# KiCad board pi60_HSE_v1.1.kicad_pcb (continued)
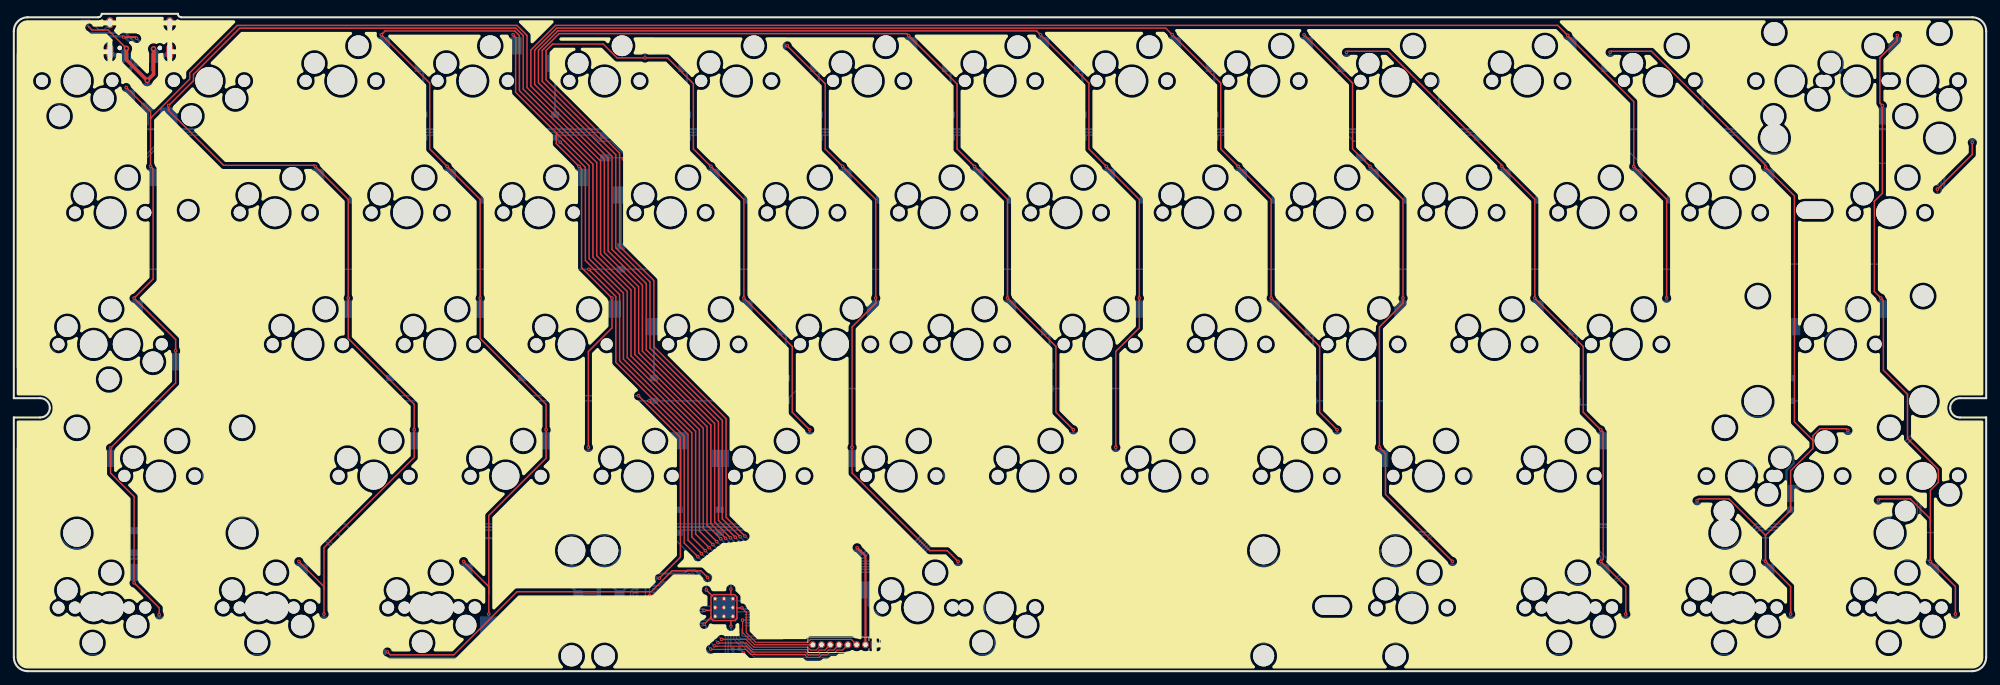
[diagram p0: board, top side]
## Routing (per net, layer and track width the routed paths; a pad name or vN(x,y) marks a point on that pad's centre or on a via; arc(x,y) is an arc through that point) (continued)
  Bottom w0.5: D73.1 8.04,17.12 1.55,23.61 1.55,31.67 6.75,36.88 6.75,39.32 1.55,44.53 1.55,82.21 1.58,82.23 10.04,82.23 14.8,77.47 D64.1 19.27,79.19 F1.1
GND: length 64.8
  Top w0.2: v1(91.87,10.94) 92.32,10.94 95.34,13.96 v1(97.56,13.96)
  Bottom w0.2: C10.2 v1(95.15,6.6) ; Y1.2 v1(109.87,9.6) ; v1(97.56,13.96) 97.56,13.96 C4.2 ; C7.2 v1(109.11,8.61) ; 13.88,93.62 13.06,92.79 12.29,92.79 C15.2 10.91,94.17 9.83,94.17 8.6,92.94 ; v1(105.31,10.2) U1.19 103.61,10.2 ; C9.2 v1(98.96,2.71) ; C12.2 90.88,12.9 v1(90.88,12.89) 91.06,12.71 91.67,12.71 91.87,12.51 v1(91.87,10.94) 91.94,10.86 U2.4 ; C8.2 v1(98.04,2.71) ; D66.3 87.9,74.27 v1(88.08,74.1) ; v1(94.71,9.4) C3.2 C1.2 ; C11.2 v1(95.15,5.68) ; C6.2 v1(103.44,15.68) ; 13.88,90.32 12.8,91.4 10.54,91.4 9.84,90.7 9.15,90.7 8.6,91.25 ; C2.2 v1(109.11,7.69)
  Bottom w0.3: D71.3 v1(268.46,74.27) ; D68.3 v1(159.26,74.27) ; D70.3 v1(232.06,74.27) ; R7.1 21.43,87.42 USB1.12 ; SW1.2 27.49,45.25 v1(27.49,45.25) ; v1(27.5,49.34) 27.49,49.35 SW1.2 ; D77.3 v1(162.16,20.32) ; v1(159.37,8.91) 159.36,8.91 J3.1 ; D73.3 v1(16.56,20.32) ; D69.3 v1(195.66,74.27) ; D76.3 v1(125.76,20.32) ; D67.3 v1(122.86,74.27) ; USB1.1 14.98,87.9 R6.1 ; D78.3 v1(195.75,20.32) ; D79.3 v1(234.95,20.32) ; D74.3 v1(52.96,20.32) ; D65.3 v1(50.06,74.27) ; 104.85,3.22 v1(105.45,2.62) ; D64.3 v1(13.66,74.27) ; D72.3 v1(265.99,20.32)
  Bottom w0.5: v1(83.59,12.35) 83.59,12.36 U4.1 ; D75.3 92.17,20.32 v1(92.16,20.31) ; v1(81.56,12.36) 81.56,12.37 C13.2 ; 14.06,89.63 USB1.1 ; C14.2 v1(87.52,12.36) ; 22.34,89.63 USB1.12
VCC: length 22.3
  Top w0.2: v2(16.28,90.09) 13.62,92.75 11.3,92.75 v3(10.89,93.16)
  Top w0.5: v2(16.28,90.09) 16.28,88.45 v2(19.28,85.45) 20.19,86.36 v2(20.19,90.04)
  Bottom w0.2: 9.84,92.84 C15.1 ; 10.56,93.49 v3(10.89,93.16)
  Bottom w0.5: 20.65,89.57 20.65,89.57 v2(20.19,90.04) ; v2(16.28,90.09) 15.75,89.57 USB1.2 ; F1.2 19.27,85.45 v2(19.28,85.45)
/GPIO26_ADC0: length 16.8
  Top w0.152: v1(102.27,4.6) 105.8,4.6 106.93,3.47 114.69,3.47 115.12,3.05 115.93,3.05 J2.7
  Bottom w0.152: U1.38 101.61,5.26 v1(102.27,4.6)
/GPIO27_ADC1: length 19.1
  Top w0.152: v1(101.74,4.14) 101.8,4.08 105.83,4.08 106.78,3.12 114.55,3.12 114.97,2.7 116.08,2.7 116.43,3.05 117.2,3.05 J2.6
  Bottom w0.152: v1(101.74,4.14) 101.21,4.66 U1.39
/GPIO28_ADC2: length 21.5
  Top w0.152: J2.5 118.47,3.05 117.7,3.05 117.35,2.7 116.58,2.7 116.22,2.35 114.82,2.35 114.4,2.77 106.64,2.77 105.8,3.61 101.28,3.61 v1(101.21,3.67)
  Bottom w0.152: U1.40 100.81,4.07 v1(101.21,3.67)
/GPIO29_ADC3: length 23.8
  Top w0.152: v1(100.69,3.2) 100.74,3.15 105.76,3.15 106.49,2.42 114.25,2.42 114.68,1.99 116.37,1.99 116.72,2.35 117.49,2.35 117.85,2.7 118.62,2.7 118.97,3.05 119.74,3.05 J2.4
  Bottom w0.152: U1.41 100.41,3.48 v1(100.69,3.2)
/QSPI_SCLK: length 12.4
  Bottom w0.2: U2.6 89.53,11.36 89.5,11.34 89.5,10.39 89.9,9.99 93.2,9.99 94.54,11.33 96.77,11.33 97.9,10.2 U1.52
/QSPI_SD0: length 10.4
  Bottom w0.2: U1.53 98.07,10.6 96.93,11.73 94.38,11.73 93.03,10.39 90.52,10.39 U2.5
/QSPI_SD1: length 7.4
  Bottom w0.2: U1.55 98.4,11.4 97.26,12.53 94.04,12.53 93.38,11.86 U2.2
/QSPI_SD2: length 7.5
  Bottom w0.2: U2.3 93.44,11.36 94.21,12.13 97.1,12.13 98.23,11 U1.54
/QSPI_SD3: length 13.7
  Bottom w0.2: U2.7 89.46,11.86 89.1,11.5 89.1,10.22 89.74,9.59 93.36,9.59 94.71,10.93 96.6,10.93 97.74,9.8 U1.51
/QSPI_SS: length 8.8
  Bottom w0.2: U1.56 98.56,11.8 97.43,12.93 93.88,12.93 93.31,12.36 U2.1 92.49,12.7 R3.1
/RUN: length 13.4
  Top w0.152: v1(105.31,7.4) 105.31,5.59 107.08,3.82 J2.8
  Bottom w0.152: U1.26 v1(105.31,7.4)
/SCL: length 62.1
  Bottom w0.2: U1.35 102.81,2.47 R4.2 ; 102.59,2.16 103.98,0.77 152.31,0.77 157.46,5.92 J3.4
/SDA: length 61.3
  Bottom w0.2: U1.34 103.21,2.47 R5.2 ; J3.3 157.46,6.92 151.71,1.17 104.37,1.17 103.44,2.09
/XIN: length 5.7
  Bottom w0.2: Y1.3 110.13,10.8 109.12,9.8 106.05,9.8
/XOUT: length 5.7
  Bottom w0.2: U1.21 109.14,9.4 110.14,8.4 Y1.1
C0: length 252.3
  Top w0.2: 19.76,79.92 19.76,80.93 v1(16.24,84.45) ; 19.76,79.92 19.76,80 25.41,85.66 25.41,86.57 32.27,93.42 72.7,93.42 74.16,91.97 74.16,84.43 84.78,73.81 84.78,60.34 89.73,55.39 89.73,45.82 100.17,35.39 100.17,21.13 v1(102.14,19.15) ; 19.76,79.92 v1(19.76,73.02) 20.12,72.66 20.12,56.72 v1(17.38,53.97) 23.38,47.97 v1(23.38,46.35) 23.38,41.69 v1(13.98,32.29) 13.98,28.66 17.38,25.26 v1(17.38,12.78) 21.01,9.15 v1(21.01,8.16)
  Bottom w0.2: v1(21.01,8.16) 21,8.16 K67.1 ; v1(13.98,32.29) 13.97,32.29 K45.1 ; K31.2 17.37,53.97 v1(17.38,53.97) ; 19.76,71.43 v1(19.76,73.02) ; K59.2 17.37,12.79 v1(17.38,12.78) ; K32.1 23.38,46.35 v1(23.38,46.35) ; K1.1 v1(16.24,84.45) ; v1(102.14,19.15) 104.44,16.85 104.44,13.71 104.41,13.68 U1.12
C1: length 265.1
  Top w0.2: 44.82,11.84 44.82,17.88 57.86,30.92 v1(57.86,34.92) 57.86,38.61 48.33,48.14 v1(48.33,53.97) 48.33,68.26 v1(43.57,73.02) 43.41,73.18 30.32,73.18 22.36,81.15 v1(22.36,81.82) 25.96,85.42 25.96,86.33 32.65,93.02 72.54,93.02 73.61,91.96 73.61,84.2 84.23,73.58 84.23,60.11 89.18,55.16 89.18,45.59 99.62,35.16 99.62,20.7 v1(101.58,18.74) ; 44.82,11.84 v1(44.82,8.25) ; 44.82,11.84 44.82,12.24 v1(41.19,15.87)
  Bottom w0.2: K60.2 v1(41.19,15.87) ; K68.1 44.81,8.25 v1(44.82,8.25) ; v1(43.57,73.02) 43.57,73.02 43.57,71.43 ; 104.05,16.27 104.05,13.87 104.01,13.84 U1.11 ; K33.2 48.33,53.97 v1(48.33,53.97) ; v1(22.36,81.82) 22.36,81.82 K2.2 ; K46.2 v1(57.86,34.92) ; 104.02,16.3 v1(101.58,18.74)
C2: length 224.9
  Top w0.2: v1(68.63,8.25) 68.63,11.22 ; 68.63,11.22 68.63,22.51 76.91,30.79 v1(76.91,34.92) 76.91,38.61 67.39,48.13 v1(67.39,53.97) 67.39,68.25 v1(62.62,73.02) 60.09,75.55 60.09,85.08 v1(53.1,92.07) 53.65,92.62 72.37,92.62 73.06,91.94 73.06,83.98 83.68,73.35 83.68,59.88 88.63,54.93 88.63,45.37 99.07,34.93 99.07,20.27 v1(101.03,18.3) ; 68.63,11.22 68.63,12.24 v1(65,15.87)
  Bottom w0.2: K47.2 v1(76.91,34.92) ; K61.2 65,15.87 v1(65,15.87) ; v1(101.03,18.3) 102.81,16.52 U1.8 ; K69.1 68.62,8.25 v1(68.63,8.25) ; K3.2 53.09,92.07 v1(53.1,92.07) ; K34.2 67.38,53.97 v1(67.39,53.97) ; 62.62,71.43 62.62,73.02 v1(62.62,73.02)
C3: length 148.7
  Top w0.2: 78.32,77.94 72.51,83.75 72.51,91.71 v1(72.15,92.07) ; 78.32,77.94 78.39,77.87 78.39,76.31 v1(81.68,73.02) 82.03,72.67 82.03,58.38 v1(86.44,53.97) 86.44,49.66 83.03,46.25 v1(83.03,32.38) ; 78.32,77.94 83.13,73.12 83.13,59.66 88.08,54.7 88.08,45.14 98.52,34.7 98.52,19.83 v1(100.48,17.87)
  Bottom w0.2: 81.67,71.43 81.67,73.02 v1(81.68,73.02) ; K35.2 86.43,53.97 v1(86.44,53.97) ; U1.7 102.41,15.94 v1(100.48,17.87) ; K48.1 83.03,32.38 v1(83.03,32.38) ; v1(72.15,92.07) 72.14,92.07 K4.2
C4: length 180.1
  Top w0.2: v1(105.64,19.54) 102.91,22.27 102.91,36.53 92.48,46.96 92.48,56.52 87.53,61.48 87.53,74.94 76.9,85.57 76.9,89.79 77.84,90.72 85.17,90.72 87.16,88.73 v1(91.19,88.73) 94.45,88.73 98.19,84.99 98.19,75.56 v1(100.73,73.02) 105.49,68.26 v1(105.49,53.97) 112.48,46.98 112.48,37.45 v1(115.01,34.92)
  Bottom w0.2: v1(91.19,88.73) 91.19,88.73 K5.2 ; v1(105.49,53.97) 105.48,53.97 K36.2 ; 100.72,71.43 100.72,73.02 v1(100.73,73.02) ; K49.2 115,34.92 v1(115.01,34.92) ; v1(105.64,19.54) 107.53,17.65 107.53,11.77 106.76,11 U1.17
C5: length 162.1
  Top w0.2: v1(111.75,90.48) 117.24,84.99 117.24,75.55 v1(119.77,73.02) 124.54,68.25 v1(124.54,53.97) 124.54,53.21 121.13,49.8 v1(121.13,32.39) 121.13,28.66 132.35,17.44 134.87,17.44 v1(136.44,15.87)
  Bottom w0.2: 140.05,2.37 131.31,2.37 130.14,3.54 128.68,3.54 127.51,2.37 107.2,2.37 105.33,4.23 104.98,4.23 104.41,4.8 U1.31 ; 140.05,2.37 145.29,2.37 K70.1 ; 140.05,2.37 140.69,2.37 141.71,3.39 141.71,6.81 140.26,8.27 140.26,10.49 136.46,14.28 ; v1(119.77,73.02) 119.77,73.02 119.77,71.43 ; K62.2 v1(136.44,15.87) ; v1(121.13,32.39) 121.13,32.39 K50.1 ; K37.2 124.53,53.97 v1(124.54,53.97)
  Bottom w0.3: K6.2 111.75,90.48 v1(111.75,90.48)
C6: length 219.1
  Top w0.2: v1(153.11,34.93) 150.58,37.46 150.58,46.98 v1(143.59,53.97) 143.59,68.25 v1(138.82,73.02) 136.29,75.55 136.29,84.96 v1(129.3,91.95) 129.02,92.23 78.78,92.23 76.35,89.81 76.35,85.34 86.98,74.72 86.98,61.25 91.93,56.3 91.93,46.73 102.36,36.3 102.36,22.04 v1(104.95,19.45)
  Bottom w0.2: K7.2 129.29,91.95 v1(129.3,91.95) ; K51.2 153.1,34.93 v1(153.11,34.93) ; 138.82,71.43 138.82,73.02 v1(138.82,73.02) ; U1.16 106.6,11.4 107.14,11.94 107.14,17.27 v1(104.95,19.45) ; K38.2 143.58,53.97 v1(143.59,53.97)
C7: length 238.7
  Top w0.2: v1(159.23,32.38) 159.23,46.25 162.64,49.66 v1(162.64,53.97) 162.64,68.25 v1(157.87,73.02) 155.34,75.55 155.34,85.08 v1(148.35,92.07) 147.79,92.63 78.61,92.63 75.8,89.82 75.8,85.11 86.43,74.49 86.43,61.02 91.38,56.07 91.38,46.5 101.81,36.07 101.81,21.81 v1(104.25,19.37)
  Bottom w0.2: U1.15 106.43,11.8 106.74,12.1 106.74,16.89 v1(104.25,19.37) ; 157.87,71.43 157.87,73.02 v1(157.87,73.02) ; K39.2 162.63,53.97 v1(162.64,53.97) ; K8.2 148.34,92.07 v1(148.35,92.07) ; K52.1 159.23,32.38 v1(159.23,32.38)
C8: length 256.9
  Top w0.2: v1(191.21,34.92) 188.68,37.45 188.68,46.98 v1(181.69,53.97) 181.69,68.25 v1(176.92,73.02) 174.39,75.55 174.39,85.08 v1(167.4,92.07) 166.44,93.03 78.45,93.03 75.26,89.84 75.26,84.89 85.88,74.26 85.88,60.79 90.83,55.84 90.83,46.28 101.27,35.84 101.27,21.58 v1(103.56,19.29)
  Bottom w0.2: K40.2 181.68,53.97 v1(181.69,53.97) ; K9.2 167.39,92.07 v1(167.4,92.07) ; v1(191.21,34.92) 191.2,34.92 K53.2 ; v1(103.56,19.29) 105.25,17.6 105.25,13.39 105.21,13.36 U1.14 ; 176.92,71.43 v1(176.92,73.02)
C9: length 210.6
  Top w0.2: v1(207.88,15.88) 198.21,25.56 198.21,31.51 v1(197.33,32.38) 197.33,49.8 200.74,53.21 v1(200.74,53.97) 200.74,68.26 v1(195.98,73.02) 193.44,75.56 193.44,85.08 v1(186.45,92.07)
  Bottom w0.2: K41.2 200.73,53.97 v1(200.74,53.97) ; v1(207.88,15.88) 207.87,15.88 K63.2 206.12,12.53 203.57,12.53 203.46,12.64 201.49,12.64 199.32,14.81 198.56,14.81 197.44,15.93 196.62,15.93 190.8,15.93 190.28,16.44 182.76,16.44 181.52,15.21 179.66,15.21 175.57,19.3 170.97,19.3 167.09,15.43 157.71,15.43 153.83,19.3 132.01,19.3 128.24,15.53 120.23,15.53 111.7,7 U1.27 ; v1(195.98,73.02) 195.97,73.02 195.97,71.43 ; v1(186.45,92.07) 186.44,92.07 K10.2 ; K54.1 197.33,32.38 v1(197.33,32.38)
C10: length 251.8
  Top w0.2: v1(192.57,89.53) 192.72,89.69 198.53,89.69 215.02,73.21 v1(215.02,73.02) 219.78,68.26 v1(219.78,53.97) 226.78,46.97 226.78,37.45 v1(229.31,34.92) 229.67,34.56 229.67,16.24 v1(229.31,15.87) 232.93,12.25 v1(232.93,8.25)
  Bottom w0.2: K42.2 219.78,53.97 v1(219.78,53.97) ; K11.1 192.56,89.53 v1(192.57,89.53) ; K55.2 229.3,34.92 v1(229.31,34.92) ; K71.2 v1(229.31,15.87) 229.31,16.62 226.62,19.3 215.88,19.3 209.31,12.73 206.89,12.73 206.29,12.13 203.41,12.13 203.29,12.25 201.32,12.25 199.16,14.41 198.39,14.41 197.27,15.53 190.63,15.53 190.12,16.05 182.92,16.05 181.69,14.81 179.5,14.81 175.41,18.9 171.13,18.9 167.26,15.03 157.54,15.03 153.67,18.9 132.18,18.9 128.4,15.13 120.39,15.13 111.87,6.6 U1.28 ; 215.02,71.43 v1(215.02,73.02) ; K64.1 232.93,8.25 v1(232.93,8.25)
C11: length 290.3
  Top w0.2: v1(238.83,53.97) 238.83,68.27 v1(234.08,73.02) 234.08,82.4 224.54,91.94 v1(224.54,91.98) 223.09,93.43 78.28,93.43 74.71,89.85 74.71,84.66 85.33,74.03 85.33,60.57 90.28,55.61 90.28,46.05 100.72,35.61 100.72,21.36 v1(102.85,19.22)
  Bottom w0.2: K12.2 224.54,91.98 v1(224.54,91.98) ; v1(238.83,53.97) 238.83,53.97 K43.2 ; U1.13 104.81,13.51 104.84,13.54 104.84,17.23 v1(102.85,19.22) ; 234.07,71.43 234.07,73.02 v1(234.08,73.02)
C12: length 323.9
  Top w0.2: v1(256.75,8.25) 256.75,12.25 v1(253.12,15.88) 253.12,19.65 ; 259.97,33.39 259.97,32.21 256.75,28.99 256.75,23.28 253.12,19.65 ; 259.97,33.39 257.3,36.06 257.3,68.75 v1(253.12,72.93) 253.12,73.21 236.63,89.69 230.82,89.69 v1(230.67,89.53) ; 259.97,33.39 259.97,34.06 260.99,35.08 264.77,35.08 v1(265.02,34.83) ; 253.12,19.65 247.84,24.92 243.47,24.92 v1(243.23,24.67)
  Bottom w0.2: v1(230.67,89.53) 230.66,89.53 K13.1 ; v1(253.12,72.93) 253.12,71.43 254.74,73.05 254.89,73.2 256.02,73.2 256.29,73.48 274.88,73.48 276.93,71.43 ; K65.1 256.74,8.25 v1(256.75,8.25) ; 243.22,23.17 243.22,24.67 v1(243.23,24.67) ; K72.2 253.12,15.88 v1(253.12,15.88) 252.95,16.05 238.39,16.05 237.36,15.03 233.68,15.03 230.78,12.13 225.11,12.13 218.74,18.5 216.21,18.5 209.64,11.93 207.22,11.93 206.62,11.33 203.08,11.33 202.96,11.45 200.99,11.45 198.83,13.61 198.06,13.61 196.94,14.73 190.3,14.73 189.78,15.25 183.26,15.25 182.02,14.01 179.17,14.01 175.07,18.1 171.47,18.1 167.59,14.23 157.21,14.23 153.34,18.1 132.51,18.1 128.73,14.33 120.72,14.33 111.03,4.63 105.14,4.63 104.81,4.96 U1.30 ; K56.2 265.02,34.83 v1(265.02,34.83)
C13: length 332.2
  Top w0.2: v1(269.42,24.76) 269.57,24.92 274.04,24.92 276.94,22.02 276.94,20.81 ; 276.94,20.81 276.94,26.16 278.1,27.32 278.1,29.18 273.64,33.65 273.64,40.05 270.15,43.53 270.15,53.62 v1(269.79,53.98) 268.84,54.93 268.84,67.98 270.01,69.14 v1(270.01,81.82) 269.64,82.19 269.64,88.75 272.17,91.27 v1(272.17,91.98) ; 276.94,20.81 v1(276.94,15.87) 280.56,12.25 v1(280.56,8.25)
  Bottom w0.2: U1.29 105.21,5.13 105.31,5.03 110.86,5.03 120.56,14.73 128.57,14.73 132.34,18.5 153.5,18.5 157.38,14.63 167.42,14.63 171.3,18.5 175.24,18.5 179.33,14.41 181.85,14.41 183.09,15.65 189.95,15.65 190.47,15.13 197.11,15.13 198.22,14.01 198.99,14.01 201.16,11.85 203.13,11.85 203.24,11.73 206.45,11.73 207.05,12.33 209.48,12.33 216.05,18.9 218.9,18.9 225.28,12.53 230.62,12.53 233.52,15.43 237.2,15.43 238.22,16.45 248.71,16.45 251.56,19.3 257.67,19.3 261.55,15.43 271.56,15.43 272.17,16.03 276.78,16.03 v1(276.94,15.87) 276.93,15.87 K73.2 ; K14.2 v1(272.17,91.98) ; v1(270.01,81.82) 270.01,81.82 K16.2 ; K44.2 v1(269.78,53.98) ; K66.1 280.55,8.25 v1(280.56,8.25) ; 269.99,80.32 268.52,78.85 259.27,78.85 255.32,74.9 253.46,74.9 249.79,78.57 249.79,79.15 K15.2 ; v1(269.42,24.76) 269.41,24.76 269.41,23.17
CC1: length 1.7
  Bottom w0.3: R6.2 16.95,87.2 USB1.4
CC2: length 1.5
  Bottom w0.3: 19.95,87.19 USB1.10
DN_MCU: length 204.1
  Bottom w0.2: U3.7 3.67,92.34 3.65,92.32
  Bottom w0.3: 3.26,91.94 3.67,92.34 8.32,92.34 8.32,92.34 ; 3.26,91.94 3.65,92.32 ; 3.26,91.94 0.45,89.13 0.45,44.07 5.66,38.86 5.66,37.33 0.45,32.13 0.45,1.99 1.03,1.42 77.21,1.42 83.33,7.53 R2.1
DN_USB: length 13.7
  Bottom w0.3: USB1.5 17.45,87.82 17.63,87.64 18.25,87.64 18.45,87.85 USB1.7 18.45,90 16.11,92.34 9.93,92.34
DP_MCU: length 198.3
  Bottom w0.2: 3.87,91.84 3.46,91.44 ; U3.6 8.37,91.84
  Bottom w0.3: 8.37,91.84 3.87,91.84 3.28,91.26 ; R1.1 83.56,8.47 77,1.92 1.23,1.92 0.95,2.2 0.95,31.92 6.16,37.13 6.16,39.07 0.95,44.28 0.95,88.92 3.28,91.26 ; 3.28,91.26 3.46,91.44
DP_USB: length 16.3
  Top w0.3: v1(17.74,91.56) 17.57,91.73 v1(15.87,91.73)
  Bottom w0.3: 15.48,91.85 10.3,91.85 9.9,91.84 ; 15.48,91.85 15.76,91.85 v1(15.87,91.73) 16.01,91.73 16.31,91.44 ; 15.48,91.85 15.9,91.85 16.31,91.44 ; v1(17.74,91.56) 18.95,90.35 USB1.8 ; USB1.6 17.95,89.79 16.31,91.44
LED: length 23.1
  Bottom w0.2: 126.5,17.12 125.3,15.93 120.06,15.93 115.44,11.31 109.82,11.31 109.11,10.6 U1.18
R0: length 351.4
  Top w0.2: v1(99.93,17.43) 97.97,19.4 97.97,34.48 87.53,44.91 87.53,54.48 82.58,59.43 82.58,72.9 v1(78.94,76.54)
  Bottom w0.2: 40.46,77.55 47.3,77.55 48.18,76.68 49.87,76.68 53.07,73.48 54.84,73.48 55,73.64 55,74 58.55,77.55 58.81,77.55 ; 205.95,77.55 211.21,77.55 ; 5.92,76.68 13.48,76.68 16.68,73.48 18.44,73.48 22.51,77.55 27.81,77.55 27.84,77.52 27.86,77.55 34.99,77.55 ; 78.28,77.2 v1(78.94,76.54) ; 135.19,77.55 131.7,77.55 127.63,73.48 125.88,73.48 122.68,76.68 120.98,76.68 120.1,77.55 116.66,77.55 ; 173.81,77.55 192.72,77.55 193.6,76.68 195.48,76.68 198.68,73.47 200.43,73.47 204.5,77.55 205.25,77.55 ; 243.35,77.55 240.91,77.55 236.84,73.48 235.07,73.48 231.87,76.68 230.16,76.68 229.28,77.55 211.91,77.55 ; 78.56,77.55 83.7,77.55 84.58,76.68 86.28,76.68 89.48,73.48 91.23,73.48 95.3,77.55 96.91,77.55 ; U1.6 102.01,15.35 v1(99.93,17.43) ; 154.76,77.55 156.5,77.55 157.38,76.68 159.07,76.68 162.27,73.48 164.04,73.48 168.11,77.55 173.11,77.55 ; 135.71,77.55 154.06,77.55 ; 116.06,77.55 97.61,77.55 ; D13.1 245.1,77.2 245.45,77.55 248.97,77.55 252.92,73.6 255.85,73.6 259.46,77.2 D14.1 ; 77.86,77.55 59.51,77.55 ; 35.69,77.55 39.76,77.55
R1: length 342
  Top w0.2: v1(83.08,58.15) 83.08,58.11 86.99,54.21 86.99,44.68 97.42,34.25 97.42,18.96 v1(99.38,17) ; v1(283,76.49) 283,74.77 v1(277.95,69.73)
  Bottom w0.2: v1(277.95,69.73) 277.95,64.18 272.67,58.9 240.88,58.9 D28.1 D27.1 D26.1 D25.1 D24.1 D23.1 D22.1 D21.1 D20.1 v1(83.08,58.15) D19.1 D18.1 D17.1 D16.1 ; v1(283,76.49) 282.99,76.5 D15.1 ; U1.5 101.61,14.77 v1(99.38,17)
R2: length 307.2
  Top w0.2: v1(98.83,16.57) 96.87,18.53 96.87,34.02 v1(91.79,39.1)
  Bottom w0.2: D30.1 9.75,39.1 D31.1 D32.1 D33.1 D34.1 D35.1 113.33,40.89 D36.1 D37.1 166.91,40.89 D38.1 D39.1 D40.1 D41.1 226.41,38.54 249.33,38.54 251.07,36.8 252.94,36.8 254.67,38.54 256.24,38.54 D42.1 258.92,39.1 260.03,40.22 260.03,46.57 264.73,51.26 264.73,57.52 264.1,58.15 ; v1(98.83,16.57) 101.21,14.18 101.21,12.64
R3: length 289.1
  Bottom w0.2: U1.3 100.81,13.81 95.57,19.05 95.57,19.27 ; 215.97,20.4 205.77,20.4 200.58,15.21 198.72,15.21 197.6,16.33 191.76,16.33 190.97,16.32 186.89,20.4 178.57,20.4 ; 95.57,19.27 95.57,19.58 96.03,20.05 ; 95.57,19.27 95.57,16.95 94.44,15.83 87.6,15.83 86.49,14.71 80.3,14.71 80.3,14.71 78.7,14.71 73.01,20.4 64.27,20.4 ; 44.52,20.4 36.47,20.4 34.13,22.74 31.86,22.74 29.52,20.4 27.41,20.4 ; 63.57,20.4 59.81,20.4 55.24,15.83 48.66,15.83 44.87,19.62 D44.1 ; D55.1 275.62,20.05 271.4,15.83 261.72,15.83 257.14,20.4 ; 256.45,20.4 252.1,20.4 248.55,16.85 238.06,16.85 237.03,15.83 230.66,15.83 226.09,20.4 216.45,20.4 ; 101.67,20.4 96.42,20.4 ; 177.87,20.4 172.62,20.4 ; 140.47,20.4 153.3,20.4 157.87,15.83 166.93,15.83 171.5,20.4 172.04,20.4 ; 101.98,20.4 116.9,20.4 120.98,16.33 122.75,16.33 124.35,17.92 130.07,17.92 132.55,20.4 133.82,20.4 ; 139.77,20.4 134.52,20.4
R4: length 101.8
  Top w0.2: v1(53.98,2.79) 54.4,2.37 63.59,2.37 72.71,11.49 92.09,11.49 95.11,14.51 99.29,14.51 v1(100.25,13.55)
  Bottom w0.2: D57.1 29.81,2.37 52.78,2.37 D58.1 v1(53.98,2.79) ; v1(100.25,13.55) 100.41,13.39 U1.2 ; D56.1 6,2.37 28.83,2.37 29.25,2.79
R5: length 171.3
  Bottom w0.2: U1.32 104.01,4.63 104.81,3.83 105.17,3.83 107.03,1.97 128.44,1.97 129.26,2.79 ; D63.1 264.72,2.37 241.74,2.37 D62.1 240.9,2.37 217.93,2.37 D61.1 216.31,3.99 198.47,3.99 D60.1 196.07,3.99 165.07,3.99 159.55,9.51 157.36,9.51 149.82,1.97 130.37,1.97 129.55,2.79
Net-(D1-Pad2): length 2.8
  Bottom w0.3: D1.2 2.53,79.54
Net-(D2-Pad2): length 2.3
  Bottom w0.3: D2.2 35.34,82.8
Net-(D3-Pad2): length 7.4
  Bottom w0.3: D3.2 40.11,87.88
Net-(D4-Pad2): length 7.4
  Bottom w0.3: D4.2 59.16,87.88
Net-(D5-Pad2): length 7.4
  Bottom w0.3: D5.2 78.21,87.88
Net-(D6-Pad2): length 7.4
  Bottom w0.3: D6.2 97.26,87.88
Net-(D7-Pad2): length 7.4
  Bottom w0.3: D7.2 116.31,87.88
Net-(D8-Pad2): length 7.4
  Bottom w0.3: D8.2 135.36,87.88
Net-(D9-Pad2): length 7.4
  Bottom w0.3: D9.2 154.41,87.88
Net-(D10-Pad2): length 7.4
  Bottom w0.3: D10.2 173.46,87.88
Net-(D11-Pad2): length 9.3
  Bottom w0.3: 205.91,80.8 205.91,90.06
Net-(D12-Pad2): length 7.4
  Bottom w0.3: D12.2 211.56,87.88
Net-(D13-Pad2): length 9.3
  Bottom w0.3: 244.01,80.8 244.01,90.06
Net-(D14-Pad2): length 14.6
  Bottom w0.3: D14.2 263.94,82.8 ; K14.1 261.04,89.74 263.26,89.74 264.32,88.69 264.32,87.19 263.89,86.76 K15.1
Net-(D15-Pad2): length 2.3
  Bottom w0.3: D15.2 282.99,82.8
Net-(D16-Pad2): length 7.4
  Bottom w0.3: D16.2 6.77,68.83
Net-(D17-Pad2): length 7.4
  Bottom w0.3: D17.2 30.58,68.83
Net-(D18-Pad2): length 7.4
  Bottom w0.3: D18.2 49.63,68.83
Net-(D19-Pad2): length 7.4
  Bottom w0.3: D19.2 68.68,68.83
Net-(D20-Pad2): length 7.4
  Bottom w0.3: D20.2 87.73,68.83
Net-(D21-Pad2): length 7.4
  Bottom w0.3: D21.2 106.78,68.83
Net-(D22-Pad2): length 7.4
  Bottom w0.3: D22.2 125.83,68.83
Net-(D23-Pad2): length 7.4
  Bottom w0.3: D23.2 144.88,68.83
Net-(D24-Pad2): length 7.4
  Bottom w0.3: D24.2 163.93,68.83
Net-(D25-Pad2): length 7.4
  Bottom w0.3: D25.2 182.98,68.83
Net-(D26-Pad2): length 7.4
  Bottom w0.3: D26.2 202.03,68.83
Net-(D27-Pad2): length 7.4
  Bottom w0.3: D27.2 221.08,68.83
Net-(D28-Pad2): length 7.4
  Bottom w0.3: D28.2 240.13,68.83
Net-(D29-Pad2): length 7.4
  Bottom w0.3: D29.2 263.94,68.83
Net-(D30-Pad2): length 10.4
  Bottom w0.3: K32.2 8.49,44.19 D30.2 ; 7.81,44.19 4.45,47.55 K31.1
Net-(D31-Pad2): length 7.4
  Bottom w0.3: D31.2 35.34,49.78
Net-(D32-Pad2): length 7.4
  Bottom w0.3: D32.2 54.39,49.78
Net-(D33-Pad2): length 7.4
  Bottom w0.3: D33.2 73.44,49.78
Net-(D34-Pad2): length 7.4
  Bottom w0.3: D34.2 92.49,49.78
Net-(D35-Pad2): length 7.4
  Bottom w0.3: D35.2 111.54,49.78
Net-(D36-Pad2): length 5.5
  Bottom w0.3: D36.2 131,44.59 131,49.49
Net-(D37-Pad2): length 5.6
  Bottom w0.3: D37.2 149.64,49.78
Net-(D38-Pad2): length 7.4
  Bottom w0.3: D38.2 168.69,49.78
Net-(D39-Pad2): length 7.4
  Bottom w0.3: D39.2 187.74,49.78
Net-(D40-Pad2): length 7.4
  Bottom w0.3: D40.2 206.79,49.78
Net-(D41-Pad2): length 7.4
  Bottom w0.3: D41.2 225.84,49.78
Net-(D42-Pad2): length 7.4
  Bottom w0.3: D42.2 256.8,49.78
Net-(D43-Pad2): length 9.3
  Bottom w0.3: 27.31,23.66 27.31,32.92
Net-(D44-Pad2): length 7.4
  Bottom w0.3: D44.2 44.87,30.73
Net-(D45-Pad2): length 7.4
  Bottom w0.3: D45.2 63.92,30.73
Net-(D46-Pad2): length 9.3
  Bottom w0.3: 96.37,23.65 96.37,32.92
Net-(D47-Pad2): length 7.4
  Bottom w0.3: D47.2 102.02,30.73
Net-(D48-Pad2): length 9.3
  Bottom w0.3: 134.47,23.65 134.47,32.92
Net-(D49-Pad2): length 7.4
  Bottom w0.3: D49.2 140.12,30.73
Net-(D50-Pad2): length 9.3
  Bottom w0.3: 172.57,23.65 172.57,32.92
Net-(D51-Pad2): length 7.4
  Bottom w0.3: D51.2 178.22,30.73
Net-(D52-Pad2): length 9.3
  Bottom w0.3: 210.67,23.65 210.67,32.92
Net-(D53-Pad2): length 7.4
  Bottom w0.3: D53.2 216.32,30.73
Net-(D54-Pad2): length 14.8
  Bottom w0.3: 256.15,25.71 256.15,29.02 257.18,30.05 257.18,31.53 256.12,32.59 253.9,32.59 K56.1 ; K57.1 256.74,23.41
Net-(D55-Pad2): length 2.3
  Bottom w0.3: D55.2 282.4,25.65
Net-(D56-Pad2): length 9.4
  Bottom w0.3: K67.2 6.1,6.09 D56.2 4.45,7.22 K59.1
Net-(D57-Pad2): length 9.4
  Bottom w0.3: K60.1 28.26,7.22 D57.2 29.92,6.09 K68.2
Net-(D58-Pad2): length 9.4
  Bottom w0.3: K61.1 52.07,7.22 D58.2 53.73,6.09 K69.2
Net-(D59-Pad2): length 17.6
  Bottom w0.3: K62.1 123.51,9.54 126.96,6.09 D59.2 129.93,6.09 131.9,4.12 K70.2
Net-(D60-Pad2): length 6.6
  Bottom w0.3: K63.1 194.95,8.41 D60.2
Net-(D61-Pad2): length 9.4
  Bottom w0.3: K71.1 216.38,7.22 D61.2 218.03,6.09 K64.2
Net-(D62-Pad2): length 9.4
  Bottom w0.3: K65.2 241.85,6.09 D62.2 240.19,7.22 K72.1
Net-(D63-Pad2): length 9.4
  Bottom w0.3: K73.1 264,7.22 D63.2 265.66,6.09 K66.2
Net-(D64-Pad2): length 33.2
  Bottom w0.2: D64.2 18.67,74.27 22.35,77.95 48.58,77.95 D65.4
Net-(D64-Pad4): length 80.9
  Bottom w0.2: 12.46,77.67 5.08,77.67 2.1,74.69 2.1,44.75 7.3,39.55 7.3,36.65 2.1,31.45 2.1,23.84 8.19,17.75 10.08,17.75 D73.2
Net-(D65-Pad2): length 33.2
  Bottom w0.2: D66.4 84.98,77.95 58.39,77.95 54.71,74.27 D65.2
Net-(D66-Pad2): length 33.2
  Bottom w0.2: D66.2 91.46,74.27 95.14,77.95 121.38,77.95 D67.4
Net-(D67-Pad2): length 33.2
  Bottom w0.2: D67.2 127.86,74.27 131.54,77.95 157.77,77.95 D68.4
Net-(D68-Pad2): length 33.2
  Bottom w0.2: D69.4 194.17,77.95 167.95,77.95 164.27,74.27 D68.2
Net-(D69-Pad2): length 33.2
  Bottom w0.2: D70.4 230.57,77.95 204.34,77.95 200.66,74.27 D69.2
Net-(D70-Pad2): length 36.5
  Bottom w0.2: D70.2 237.07,74.27 240.75,77.95 249.13,77.95 253.08,74 255.69,74 259.64,77.95 266.97,77.95 D71.4
Net-(D71-Pad2): length 71.1
  Bottom w0.2: 267.39,16.72 271.02,16.72 275.06,20.76 275.06,24.56 272.51,27.11 272.51,32.5 278.5,38.49 278.5,72.81 278.13,73.18 275.74,73.18 275.05,73.87 272.75,73.87
Net-(D72-Pad2): length 28.1
  Bottom w0.2: 236.35,16.72 236.66,16.72 237.68,17.75 248.17,17.75 251.72,21.3 260.86,21.3 261.84,20.32 ; 236.67,16.73 236.34,16.73
Net-(D73-Pad4): length 35.1
  Bottom w0.2: 48.8,20.32 47.82,21.3 36.84,21.3 34.5,23.64 31.49,23.64 29.15,21.3 25.87,21.3 24.28,19.7 21.44,19.7 18.47,16.72 17.95,16.72
Net-(D74-Pad4): length 36.5
  Bottom w0.2: 88.01,20.32 87.38,19.7 85.84,19.7 74.98,19.7 73.38,21.3 59.44,21.3 54.87,16.72 54.35,16.72
Net-(D75-Pad4): length 32.5
  Bottom w0.2: 93.56,16.72 94.07,16.72 94.3,16.96 94.3,20.67 94.93,21.3 120.62,21.3 121.6,20.32
Net-(D77-Pad4): length 30.3
  Bottom w0.2: 163.55,16.72 166.55,16.72 166.58,16.75 166.59,16.75 171.13,21.3 190.62,21.3 191.6,20.32
Net-(D78-Pad4): length 36.4
  Bottom w0.2: D78.4 196.74,17.72 198.72,19.7 204.51,19.7 205.61,20.8 230.57,20.8 D79.2
Net-(R1-Pad2): length 2.6
  Bottom w0.2: R1.2 96.94,8.2 U1.47
Net-(R2-Pad2): length 2.6
  Bottom w0.2: R2.2 96.93,7.8 U1.46
Net-(R3-Pad2): length 97.6
  Top w0.2: v1(90.26,39.85) 96.32,33.79 96.32,16.5 v1(93.28,13.45)
  Bottom w0.2: R3.2 93.27,13.45 v1(93.28,13.45) ; 31.29,43.8 35.24,39.85 v1(90.26,39.85)
  Bottom w0.3: SW1.1 SW1.1

## Copper pours and planes (outline as drawn; the poured copper is in the pictures)
+3V3 on Bottom: 88.19,11.94 88.12,11.87 88.05,11.82 87.98,11.78 87.91,11.75 87.85,11.74 87.78,11.73 87.71,11.73 87.56,11.72 87.46,11.71 87.3,11.08 87.94,10.95 87.99,11.04 88.04,11.13 88.07,11.2 88.13,11.34 88.16,11.41 88.2,11.48 88.25,11.56 88.32,11.64 88.41,11.73
+5V on Top: 122.91,4.81 122.9,4.7 122.89,4.61 122.87,4.53 122.85,4.46 122.82,4.39 122.78,4.33 122.7,4.21 122.66,4.13 122.61,4.04 123.06,3.57 123.51,4.04 123.46,4.13 123.42,4.21 123.34,4.33 123.3,4.39 123.27,4.46 123.24,4.53 123.23,4.61 123.21,4.7 123.21,4.81
+5V on Bottom: 261.17,17.58 261.26,17.49 261.33,17.41 261.39,17.33 261.43,17.26 261.47,17.19 261.54,17.05 261.58,16.98 261.64,16.9 261.7,16.81 262.32,17.02 262.08,17.62 261.99,17.62 261.84,17.61 261.78,17.61 261.71,17.61 261.65,17.63 261.59,17.65 261.53,17.68 261.46,17.73 261.39,17.8
+5V on Bottom: 271.43,77.93 271.52,77.83 271.59,77.75 271.64,77.67 271.69,77.6 271.73,77.53 271.8,77.39 271.84,77.32 271.9,77.24 271.96,77.15 272.58,77.37 272.33,77.97 272.25,77.97 272.1,77.96 272.03,77.96 271.97,77.96 271.91,77.97 271.85,77.99 271.78,78.03 271.72,78.07 271.64,78.14
+5V on Bottom: 231.97,16.67 231.88,16.77 231.81,16.85 231.76,16.93 231.71,17 231.67,17.07 231.6,17.21 231.56,17.28 231.5,17.36 231.43,17.45 230.82,17.23 231.07,16.63 231.15,16.63 231.3,16.64 231.37,16.64 231.43,16.64 231.49,16.63 231.56,16.61 231.62,16.57 231.69,16.53 231.76,16.46
